# Altium PCB UZ_D_Encoder.PcbDoc (part 5 of 5)
Units mm, origin at the board's own origin, x right, y up, seen from the top; angles counter-clockwise.
Board outline 156.29 x 100 mm, 4 copper layers (Top Layer, GND, VCC, Bottom Layer), stack 0.778 mm thick; 526 components, 375 nets, 1809 pads, 592 vias.
Unrouted connection lines stored in the file: 1.
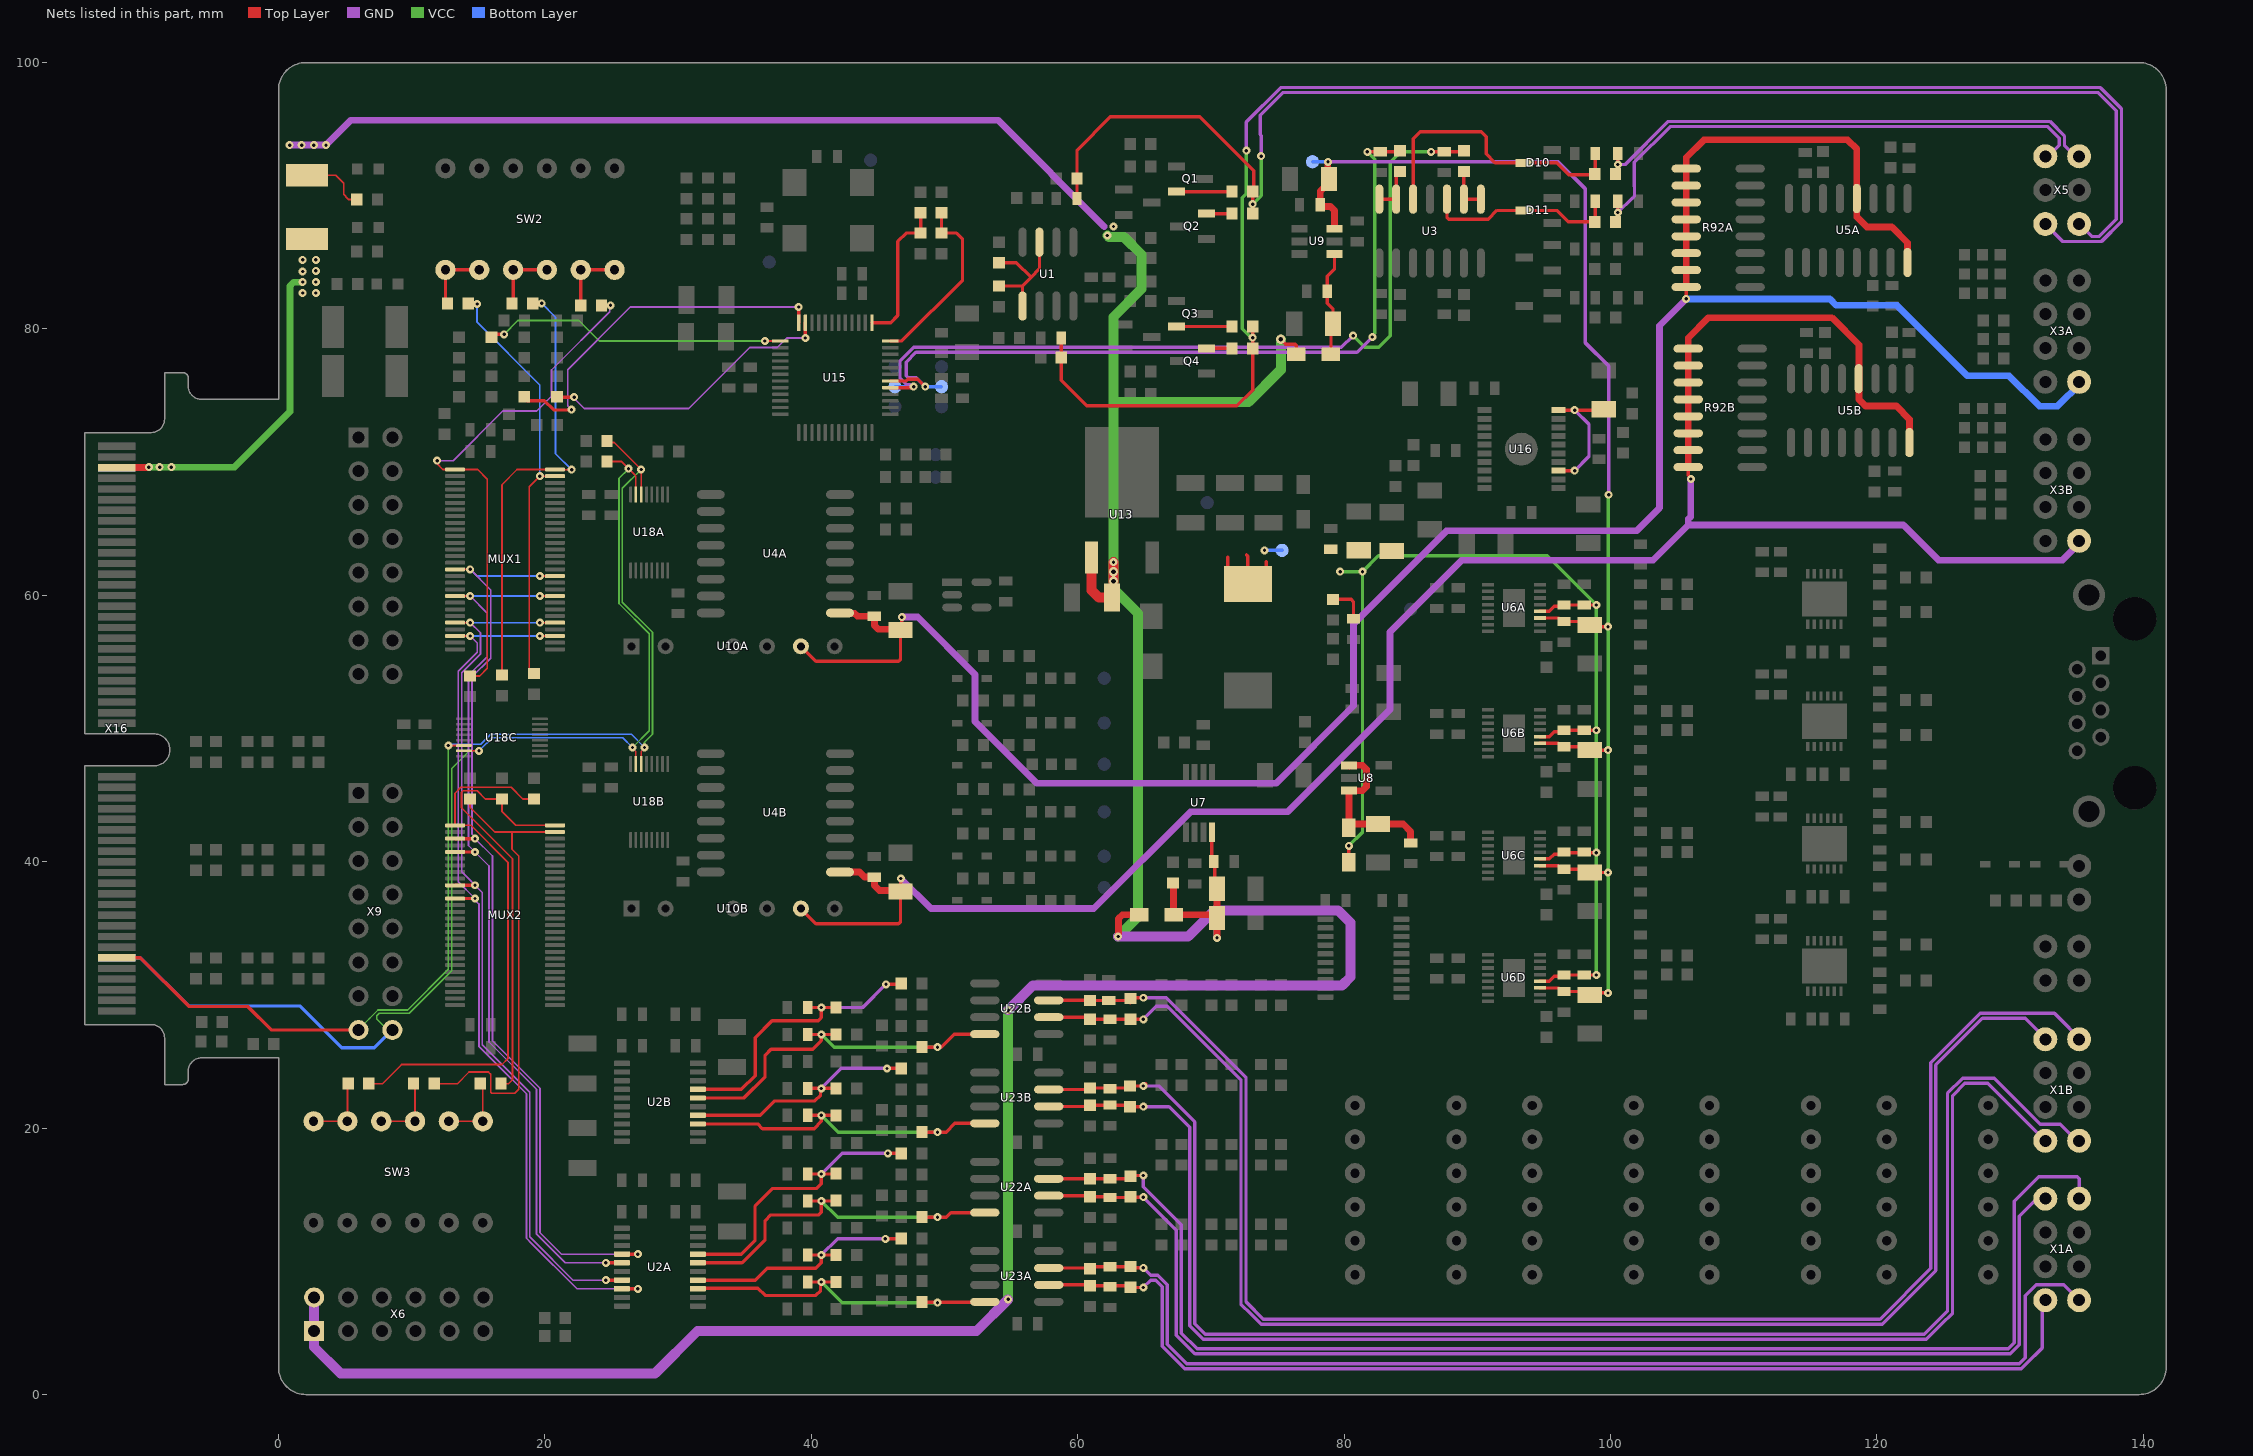
[diagram p7: the nets of this part, all layers, seen from the top]

## Via types
v1: diameter 0.6, hole 0.25, Top Layer to Bottom Layer, tented both sides, 586 vias
v2: diameter 0.7, hole 0.35, Top Layer to Bottom Layer, tented both sides, 6 vias

## Nets (pads, with @x,y where several pads share a name; then routed paths per layer and width w, separated by ;. In a path a pad name is that pad's centre, name@x,y a point inside that pad or via, vN(x,y) a via of type N, cw(c..) or ccw(c..) an arc to the next point about the centre after c; other vN are vias at no path point) (continued)
RES0: R172.1 R174.2 U15.48 | length 13.7
  Top Layer w0.25: U15.48@45.925,79.1 46.8,79.1 51.351,83.651 51.351,86.749 50.897,87.203 R172.1@49.775,87.203 R174.2@49.775,88.728
RES1: R171.1 R173.2 U15.1 | length 11.2
  Top Layer w0.25: U15.1@44.55,80.475 45.95,80.475 46.488,81.013 46.488,86.573 47.118,87.203 R171.1@48.2,87.203 R173.2@48.2,88.728
Resolver_SCLK: R114.2 U15.13 | length 22.8
  Top Layer w0.127: v1(36.5,79.1) U15.13@37.675,79.1
  Top Layer w0.25: R114.2@15.994,79.39 16.207,79.603 v1(16.931,79.603)
  VCC w0.127: v1(16.931,79.603) 17.966,80.638 22.535,80.638 24.072,79.1 v1(36.5,79.1)
Resolver_SDI: R112.2 U15.12 | length 27.5
  Top Layer w0.25: R112.2@18.443,74.836 18.668,74.611 19.96,74.611 20.651,73.92 21.974,73.92 v1(21.99,73.937) ; U15.12@39.05,80.475 v1(39.05,81.654)
  GND w0.127: v1(21.99,73.937) 21.99,73.954 21.704,74.239 21.704,76.946 26.412,81.654 v1(39.05,81.654)
Resolver_SDO: R113.2 U15.11 | length 22.4
  Top Layer w0.25: R113.2@20.94,74.884 v1(22.195,74.884) ; v1(39.55,79.324) U15.11@39.55,80.475
  GND w0.127: v1(22.195,74.884) 22.195,74.779 22.948,74.025 30.787,74.025 35.372,78.609 37.434,78.609 38.149,79.324 v1(39.55,79.324)
RS485_A_CLOCKA: C65A.1 R31A.2 R34A.2 U23A.6 X1A.8 | length 84.4
  Top Layer w0.254: U23A.6@57.824,8.227 60.854,8.227 R34A.2@60.924,8.157 63.849,8.157 R31A.2@63.949,8.057 63.968,8.038 v1(64.921,8.038)
  GND w0.254: v1(64.921,8.038) 65.468,8.585 65.85,8.585 66.334,8.101 66.334,3.614 67.656,2.292 68.027,1.921 130.843,1.921 131.214,2.292 132.414,3.492 X1A.8@132.414,6.995
RS485_A_CLOCKB: C65B.1 R31B.2 R34B.2 U23B.6 X1B.8 | length 110.1
  Top Layer w0.25: R34B.2@60.843,21.627 R34B.2@60.924,21.708 R31B.2@63.868,21.708 ; R31B.2@63.924,21.614 v1(64.921,21.614)
  Top Layer w0.254: U23B.6@57.824,21.627 R34B.2@60.843,21.627
  GND w0.25: v1(64.921,21.614) 66.856,21.614 68.398,20.072 68.398,5.16 69.41,4.148 123.721,4.148 124.833,5.26 125.677,6.104 125.677,22.444 126.592,23.358 128.338,23.358 X1B.8@132.646,19.05
RS485_A_DATAA: C52A.1 R17A.2 R18A.2 U22A.6 X1A.2 | length 94.7
  Top Layer w0.25: U22A.6@57.824,14.927 60.834,14.927 R18A.2@60.924,14.837 62.424,14.837 62.476,14.785 63.897,14.785 R17A.2@63.949,14.837 63.968,14.818 v1(64.921,14.818)
  GND w0.25: v1(64.921,14.818) 67.4,12.338 67.4,4.447 68.799,3.048 130.01,3.048 130.686,3.724 130.686,13.381 X1A.2@132.326,15.022
RS485_A_DATAB: C52B.1 R17B.2 R18B.2 U22B.6 X1B.2 | length 114.9
  Top Layer w0.254: U22B.6@57.824,28.327 60.767,28.327 R18B.2@60.924,28.17 C52B.1@62.424,28.17 63.936,28.17 R17B.2@63.949,28.183 63.968,28.164 v1(64.921,28.164)
  GND w0.254: v1(64.921,28.164) 65.907,29.15 66.736,29.15 72.255,23.631 72.255,6.787 73.026,6.016 73.773,5.269 120.394,5.269 121.141,6.016 124.431,9.306 124.431,24.742 127.927,28.238 131.148,28.238 X1B.2@133.124,26.263
RS485_B_CLOCKA: C64A.1 R24A.1 R31A.1 U23A.7 X1A.7 | length 88.8
  Top Layer w0.254: U23A.7@57.824,9.497 60.88,9.497 R24A.1@60.924,9.453 61.051,9.58 C64A.1@62.424,9.58 63.922,9.58 R31A.1@63.949,9.607 64.043,9.513 v1(64.921,9.513)
  GND w0.25: v1(64.921,9.513) 65.47,8.964 66.007,8.964 66.713,8.258 66.713,3.771 68.184,2.3 130.686,2.3 131.148,2.762 131.148,7.426 131.956,8.234 134.034,8.234 X1A.7@135.186,7.082
RS485_B_CLOCKB: C64B.1 R24B.1 R31B.1 U23B.7 X1B.7 | length 113.9
  Top Layer w0.25: R24B.1@60.811,22.897 R24B.1@60.924,23.01 R31B.1@63.595,23.01 ; R31B.1@63.924,23.164 v1(64.921,23.164) ; v1@65.071,23.339 v1@65.096,23.339
  Top Layer w0.254: U23B.7@57.824,22.897 R24B.1@60.811,22.897
  GND w0.25: v1(64.921,23.164) 66.073,23.164 68.775,20.462 68.775,5.316 69.566,4.525 123.565,4.525 125.3,6.26 125.3,22.6 126.435,23.735 128.824,23.735 132.259,20.3 133.767,20.3 135.169,18.898 135.295,18.898 X1B.7@135.605,18.462
RS485_B_DATAA: C10A.1 R8A.1 R17A.1 U22A.7 X1A.1 | length 101.2
  Top Layer w0.25: U22A.7@57.824,16.197 R8A.1@60.918,16.197 ; R8A.1@60.924,16.191 62.424,16.191 62.43,16.197 63.759,16.197 R17A.1@63.949,16.387 64.004,16.443 v1(64.921,16.443)
  GND w0.25: v1(64.921,16.443) 64.921,15.598 67.777,12.742 67.777,4.603 68.955,3.425 129.854,3.425 130.309,3.88 130.309,14.513 132.138,16.343 135.04,16.343 135.186,16.196 X1A.1@135.186,14.702
RS485_B_DATAB: C10B.1 R8B.1 R17B.1 U22B.7 X1B.1 | length 117.2
  Top Layer w0.254: U22B.7@57.824,29.597 60.911,29.597 R8B.1@60.924,29.584 C10B.1@62.33,29.584 63.777,29.584 R17B.1@63.949,29.412 ; R17B.1@63.949,29.733 64.004,29.789 v1(64.921,29.789)
  GND w0.254: v1(64.921,29.789) 66.636,29.789 72.636,23.788 72.636,6.945 73.931,5.65 120.236,5.65 124.05,9.464 124.05,24.9 127.769,28.619 133.336,28.619 X1B.1@135.574,26.382
RX-S_CLOCK_SH: MUX1.24 MUX1.33 MUX2.10 U2A.7 | length 66.4
  Top Layer w0.127: MUX1.24@13.25,57.95 v1(14.383,57.95) ; v1(19.616,57.95) MUX1.33@20.75,57.95
  Top Layer w0.25: MUX2.10@13.25,38.235 v1(14.75,38.235) ; v1(24.573,8.587) U2A.7@25.773,8.587
  GND w0.127: v1(14.383,57.95) 15.164,57.169 15.164,55.621 13.746,54.203 13.746,39.239 15.292,37.692 15.292,26.255 16.635,24.912 18.861,22.686 18.861,11.832 18.935,11.758 19.01,11.684 19.084,11.609 22.106,8.587 v1(24.573,8.587)
  Bottom Layer w0.127: v1(14.383,57.95) v1(19.616,57.95)
RX-S_CLOCKA: C60A.1 R4A.1 R25A.1 U2A.14 | length 19
  Top Layer w0.25: U2A.14@31.473,8.587 35.787,8.587 36.67,9.47 40.343,9.47 40.753,9.88 v1(40.753,10.475) ; C60A.1@39.731,10.475 v1(40.753,10.475) ; R4A.1@41.776,10.475 v1(40.753,10.475) ; v1(45.554,11.685) 46.716,11.685 R25A.1@46.75,11.719
  GND w0.25: v1(40.753,10.475) 41.964,11.685 v1(45.554,11.685)
RX-S_CLOCKB: C60B.1 R4B.1 R25B.1 U2B.14 | length 19
  Top Layer w0.254: U2B.14@31.473,20.962 36.156,20.962 37.234,22.041 40.265,22.041 40.687,22.462 40.687,22.915 v1(40.753,22.981) ; C60B.1@39.731,22.981 v1(40.753,22.981) ; R4B.1@41.776,22.981 v1(40.753,22.981) ; v1(45.675,24.483) 46.749,24.483 R25B.1@46.75,24.484
  GND w0.254: v1(40.753,22.981) 42.255,24.483 v1(45.675,24.483)
RX-S_DATA_SH: MUX1.16 MUX1.40 MUX2.3 U2A.4 | length 71.6
  Top Layer w0.127: MUX1.16@13.25,61.95 v1(14.383,61.95) ; v1(19.616,61.45) MUX1.40@20.75,61.45
  Top Layer w0.25: MUX2.3@13.25,41.735 v1(14.75,41.735) ; U2A.4@25.773,10.537 v1(26.973,10.537)
  GND w0.127: v1(14.383,61.95) 15.926,60.407 15.926,55.282 14.525,53.881 14.525,42.088 14.75,41.863 v1(14.75,41.735) 16.054,40.43 16.054,26.571 19.623,23.003 19.623,12.148 21.234,10.537 v1(26.973,10.537)
  Bottom Layer w0.127: v1(14.383,61.95) 14.883,61.45 v1(19.616,61.45)
RX-S_DATAA: C53A.1 R1A.1 R11A.1 U2A.17 | length 22.4
  Top Layer w0.25: U2A.17@31.473,10.537 34.727,10.537 35.773,11.583 35.773,14.159 37.086,15.472 40.412,15.472 40.753,15.814 v1(40.753,16.552) ; C53A.1@39.731,16.552 v1(40.753,16.552) ; R1A.1@41.776,16.552 v1(40.753,16.552) ; v1(45.737,18.102) R11A.1@46.75,18.102
  GND w0.25: v1(40.753,16.552) 42.303,18.102 v1(45.737,18.102)
RX-S_DATAB: C53B.1 R1B.1 R11B.1 U2B.17 | length 22.7
  Top Layer w0.254: U2B.17@31.473,22.912 34.748,22.912 35.773,23.937 35.773,26.786 37.044,28.057 40.509,28.057 40.753,28.301 v1(40.753,29.057) ; C53B.1@39.731,29.057 v1(40.753,29.057) ; R1B.1@41.776,29.057 v1(40.753,29.057) ; v1(45.599,30.794) 46.677,30.794 R11B.1@46.75,30.867
  GND w0.254: v1(40.753,29.057) 43.862,29.057 v1(45.599,30.794)
S0_SWA: MUX1.1 R124.2 R136.2 | length 40.1
  Top Layer w0.127: v1(11.905,70.118) 11.905,69.877 12.332,69.45 MUX1.1@13.25,69.45 14.95,69.45 15.675,68.725 15.675,54.525 15.101,53.951 R124.2@14.375,53.951 ; R136.2@24.243,81.773 v1(24.918,81.773)
  GND w0.127: v1(11.905,70.118) 13.121,70.118 16.84,73.837 19.377,73.837 20.488,74.949 20.488,76.915 24.856,81.282 24.856,81.711 v1(24.918,81.773)
S0_SWA_ANALOG: R136.1 SW2.1 SW2.2 | length 5.2
  Top Layer w0.25: R136.1@22.693,81.773 22.685,81.781 SW2.2@22.685,84.436 SW2.1@25.225,84.436
S0_SWB: MUX2.1 R137.2 R140.2 | length 40
  Top Layer w0.127: R137.2@6.775,23.339 7.799,23.339 9.232,24.772 16.775,24.772 17.216,25.213 17.216,39.968 14.449,42.735 MUX2.1@13.25,42.735 13.25,43.273 13.238,43.285 13.238,45.15 13.679,45.591 17.458,45.591 18.334,44.715 R140.2@19.158,44.715
S0_SWB_ANALOG: R137.1 SW3.1 SW3.2 | length 5.4
  Top Layer w0.127: SW3.1@2.625,20.51 SW3.2@5.165,20.51 5.165,23.279 R137.1@5.225,23.339
S1_SWA: MUX1.56 R123.2 R135.2 | length 34.1
  Top Layer w0.127: R123.2@16.766,54.023 16.766,68.317 17.9,69.45 MUX1.56@20.75,69.45 20.759,69.441 21.991,69.441 v1(22,69.433) ; R135.2@19.079,81.926 v1(19.754,81.926)
  Bottom Layer w0.127: v1(19.754,81.926) 20.792,80.888 20.792,70.641 v1(22,69.433)
S1_SWA_ANALOG: R135.1 SW2.3 SW2.4 | length 5.1
  Top Layer w0.25: R135.1@17.529,81.926 17.605,82.002 SW2.4@17.605,84.436 SW2.3@20.145,84.436
S1_SWB: MUX2.56 R139.2 R141.2 | length 32.8
  Top Layer w0.127: R139.2@16.7,23.339 17.26,23.339 17.558,23.637 17.558,40.228 13.734,44.052 13.734,45.219 13.846,45.331 14.904,45.331 15.519,44.715 R141.2@16.766,44.715 16.766,43.786 17.817,42.735 MUX2.56@20.75,42.735
S1_SWB_ANALOG: R139.1 SW3.5 SW3.6 | length 5.4
  Top Layer w0.127: SW3.5@12.785,20.51 SW3.6@15.325,20.51 15.325,23.164 R139.1@15.15,23.339
S2_SWA: MUX1.55 R122.2 R134.2 | length 32
  Top Layer w0.127: R134.2@14.227,81.898 14.254,81.871 v1(14.902,81.871) ; R122.2@19.158,54.132 18.825,54.465 18.825,68.158 v1(19.616,68.95) MUX1.55@20.75,68.95
  Bottom Layer w0.127: v1(14.902,81.871) 14.902,80.504 19.616,75.789 v1(19.616,68.95)
S2_SWA_ANALOG: R134.1 SW2.5 SW2.6 | length 5.1
  Top Layer w0.25: R134.1@12.677,81.898 12.525,82.05 SW2.6@12.525,84.436 SW2.5@15.065,84.436
S2_SWB: MUX2.55 R138.2 R142.2 | length 35.6
  Top Layer w0.127: R138.2@11.68,23.339 13.427,23.339 14.3,24.212 15.752,24.212 15.925,24.039 15.925,22.698 15.999,22.623 17.734,22.623 18.025,22.915 18.025,40.428 17.517,40.936 17.517,42.235 ; R142.2@14.375,44.715 14.375,44.1 16.24,42.235 17.517,42.235 ; MUX2.55@20.75,42.235 17.517,42.235
S2_SWB_ANALOG: R138.1 SW3.3 SW3.4 | length 5.4
  Top Layer w0.127: SW3.3@7.705,20.51 SW3.4@10.245,20.51 10.245,23.224 R138.1@10.13,23.339
SCL: R107.1 U18A.14 U18B.14 U18C.14 X9.15 X16.89 | length 91.8
  Top Layer w0.127: v1(12.748,48.726) U18C.14@13.916,48.726 ; R107.1@24.65,71.575 24.744,71.481 25.191,71.481 v1(27.225,69.447) U18A.14@27.225,67.575 ; U18B.14@27.225,47.34 27.225,48.272 27.474,48.521 v1(27.474,48.583)
  Top Layer w0.254: X16.89@-12.153,32.791 -10.373,32.791 -6.714,29.132 -2.303,29.132 -0.541,27.37 X9.15@6,27.37
  VCC w0.127: X9.15@6,27.37 6,27.409 6.822,28.231 7.461,28.87 9.695,28.87 12.748,31.922 v1(12.748,48.726) ; v1(27.225,69.447) 25.808,68.03 25.808,59.491 28.075,57.224 28.075,49.58 27.474,48.979 v1(27.474,48.583)
  Bottom Layer w0.127: v1(12.748,48.726) 12.838,48.817 15.181,48.817 15.926,49.561 26.496,49.561 v1(27.474,48.583)
SDA: R103.2 U18A.15 U18B.15 U18C.15 X9.16 X16.90 | length 92.1
  Top Layer w0.127: U18C.15@13.916,48.326 v1(15.05,48.326) ; R103.2@24.65,70.058 25.737,70.058 v1(26.276,69.519) 26.815,68.979 26.815,68.459 26.825,68.449 U18A.15@26.825,67.575 ; v1(26.567,48.583) 26.567,48.53 26.825,48.272 U18B.15@26.825,47.34
  VCC w0.127: X9.16@8.54,27.37 8.197,27.37 7.375,28.192 7.375,28.425 7.566,28.616 9.801,28.616 13.002,31.817 13.002,47.002 14.326,48.326 v1(15.05,48.326) ; v1(26.276,69.519) 25.554,68.797 25.554,59.386 27.821,57.119 27.821,49.837 v1(26.567,48.583)
  Bottom Layer w0.127: v1(15.05,48.326) 15.05,48.435 15.159,48.435 16.031,49.307 25.843,49.307 v1(26.567,48.583)
  Bottom Layer w0.25: X16.90@-12.153,32.791 -10.373,32.791 -6.752,29.17 1.588,29.17 4.733,26.025 7.195,26.025 X9.16@8.54,27.37
SIN: C76.1 R81.2 TP9.1 U15.41 | length 63
  Top Layer w0.25: U15.41@45.925,75.6 47.511,75.6 47.58,75.669 v1(47.675,75.669) ; v1(86.538,93.302) C76.1@87.506,93.302 88.915,93.302 R81.2@88.99,93.377
  GND w0.25: v1(47.675,75.669) 47.58,75.669 47.424,75.825 47.175,75.825 46.65,76.35 46.65,77.575 47.699,78.624 79.799,78.624 v1(80.675,79.5)
  VCC w0.25: v1(80.675,79.5) 81.55,78.625 82.6,78.625 83.459,79.484 83.459,92.527 84.234,93.302 v1(86.538,93.302)
  Bottom Layer w0.25: TP9.1@46.273,75.669 v1(47.675,75.669)
SIN_C: C77.1 D11.3 R80.2 U3.3 | length 14.7
  Top Layer w0.25: U3.3@87.72,89.751 87.72,88.397 87.866,88.251 90.825,88.251 91.474,88.9 D11.3@93.52,88.9 95.976,88.9 96.825,88.051 R80.2@98.828,88.051 98.855,88.078 C77.1@98.855,89.6
SIN_FB: R81.1 U3.1 U3.2 | length 3.3
  Top Layer w0.25: R81.1@88.99,91.827 U3.2@88.99,89.751 U3.1@90.26,89.751
SIN_LO: C73.1 R79.2 TP10.1 U15.42 | length 59.4
  Top Layer w0.25: U15.42@45.925,76.1 47.118,76.1 47.239,76.221 47.998,76.221 v1(48.55,75.669) ; v1(81.74,93.302) C73.1@82.709,93.302 84.135,93.302 R79.2@84.21,93.377
  GND w0.25: v1(48.55,75.669) 47.881,76.338 47.269,76.338 47.123,76.485 47.123,77.515 47.855,78.247 80.972,78.247 v1(82.122,79.397)
  VCC w0.25: v1(81.74,93.302) 82.292,92.75 82.292,79.662 82.122,79.492 v1(82.122,79.397)
  Bottom Layer w0.25: v1(48.55,75.669) TP10.1@49.775,75.669
SIN_LO_C: C74.1 D10.3 R78.2 U3.5 | length 22.1
  Top Layer w0.25: U3.5@85.18,89.751 85.18,94.29 85.704,94.814 90.296,94.814 90.659,94.451 90.659,93.142 91.326,92.474 D10.3@93.52,92.474 95.976,92.474 96.875,91.575 98.752,91.575 R78.2@98.828,91.651 98.855,91.678 C74.1@98.855,93.174
SIN_LO_FB: R79.1 U3.6 U3.7 | length 3.5
  Top Layer w0.25: U3.7@82.64,89.751 U3.6@83.91,89.751 83.91,91.527 R79.1@84.21,91.827
SIN_LO_ST: C72.1 R78.1 X5.1 | length 39.1
  Top Layer w0.25: R78.1@100.378,91.651 100.545,91.818 v1(100.545,92.351) C72.1@100.545,93.174
  GND w0.254: v1(100.545,92.351) 101.093,92.351 104.323,95.581 132.996,95.581 134.085,94.493 134.085,93.807 X5.1@135.164,92.728
SIN_ST: C75.1 R80.1 X5.2 | length 41.4
  Top Layer w0.25: R80.1@100.378,88.051 100.545,88.218 v1(100.545,88.751) C75.1@100.545,89.6
  GND w0.25: v1(100.545,88.751) 101.621,89.827 101.656,89.827 101.795,89.966 101.795,90.724
  GND w0.254: 101.795,90.724 101.795,92.514 104.481,95.2 132.838,95.2 133.704,94.335 133.704,93.807 X5.2@132.624,92.728
TX-S_CLOCK_SH: MUX1.26 MUX1.31 MUX2.12 U2A.8 | length 68.3
  Top Layer w0.127: MUX1.26@13.25,56.95 v1(14.383,56.95) ; v1(19.616,56.95) MUX1.31@20.75,56.95
  Top Layer w0.25: MUX2.12@13.25,37.235 v1(14.75,37.235) ; U2A.8@25.773,7.937 v1(26.973,7.937)
  GND w0.127: v1(14.383,56.95) 14.91,56.423 14.91,55.726 13.492,54.308 13.492,38.493 v1(14.75,37.235) 14.75,37.118 15.038,36.83 15.038,26.15 16.381,24.807 18.607,22.581 18.607,11.727 18.681,11.653 18.756,11.578 18.83,11.504 18.905,11.43 22.397,7.937 v1(26.973,7.937)
  Bottom Layer w0.127: v1(14.383,56.95) v1(19.616,56.95)
TX-S_CLOCKA: C61A.1 R5A.1 R35A.2 U2A.13 U23A.4 | length 26.4
  Top Layer w0.25: U2A.13@31.473,7.937 31.511,7.975 35.981,7.975 36.522,7.434 40.337,7.434 40.687,7.784 40.687,8.383 v1(40.753,8.45) ; C61A.1@39.731,8.45 v1(40.753,8.45) ; R5A.1@41.776,8.45 v1(40.753,8.45) ; R35A.2@48.3,6.932 52.999,6.932 U23A.4@53.024,6.957
  VCC w0.25: v1(40.753,8.45) 42.303,6.9 v1(49.475,6.9)
TX-S_CLOCKB: C61B.1 R5B.1 R35B.2 U2B.13 U23B.4 | length 26.4
  Top Layer w0.254: U2B.13@31.473,20.312 35.981,20.312 36.328,19.965 40.216,19.965 40.752,20.501 40.752,20.954 v1(40.753,20.955) ; C61B.1@39.731,20.955 v1(40.753,20.955) ; R5B.1@41.776,20.955 v1(40.753,20.955) ; R35B.2@48.3,19.697 v1(49.475,19.697) 50.118,19.697 50.778,20.357 U23B.4@53.024,20.357
  VCC w0.254: v1(40.753,20.955) 42.011,19.697 v1(49.475,19.697)
TX-S_DATA_SH: MUX1.20 MUX1.37 MUX2.5 U2A.5 | length 67.4
  Top Layer w0.127: MUX1.20@13.25,59.95 v1(14.383,59.95) ; v1(19.616,59.95) MUX1.37@20.75,59.95
  Top Layer w0.25: MUX2.5@13.25,40.735 v1(14.75,40.735) ; v1(24.573,9.887) U2A.5@25.773,9.887
  GND w0.127: v1(14.383,59.95) 15.672,58.661 15.672,55.404 14.26,53.991 14.26,41.225 15.8,39.684 15.8,26.465 19.369,22.897 19.369,12.043 19.443,11.968 21.525,9.887 v1(24.573,9.887)
  Bottom Layer w0.127: v1(14.383,59.95) v1(19.616,59.95)
TX-S_DATAA: C54A.1 R2A.1 R21A.2 U2A.16 U22A.4 | length 28.7
  Top Layer w0.25: U2A.16@31.473,9.887 34.793,9.887 36.522,11.616 36.522,13.064 36.938,13.48 40.555,13.48 40.752,13.677 40.752,14.525 v1(40.753,14.526) ; C54A.1@39.731,14.526 v1(40.753,14.526) ; R2A.1@41.776,14.526 v1(40.753,14.526) ; R21A.2@48.3,13.315 v1(49.475,13.315) 50.137,13.315 50.479,13.657 U22A.4@53.024,13.657
  VCC w0.25: v1(40.753,14.526) 41.964,13.315 v1(49.475,13.315)
TX-S_DATAB: C54B.1 R2B.1 R21B.2 U2B.16 U22B.4 | length 28.8
  Top Layer w0.254: U2B.16@31.473,22.262 34.937,22.262 36.522,23.847 36.522,25.479 36.968,25.925 40.1,25.925 40.752,26.577 40.752,27.03 v1(40.753,27.031) ; C54B.1@39.731,27.031 v1(40.753,27.031) ; R2B.1@41.776,27.031 v1(40.753,27.031) ; R21B.2@48.3,26.08 v1(49.475,26.08) 49.755,26.08 50.732,27.057 U22B.4@53.024,27.057
  VCC w0.254: v1(40.753,27.031) 41.704,26.08 v1(49.475,26.08)
VCC: C25A.1 C25B.1 C25C.1 C25D.1 C26A.2 C26B.2 C26C.2 C26D.2 C35.1 C40.2 C41.2 C42.2 L2.2 L3.1 R57.2 TP16.1 U6A.4 U6B.4 U6C.4 U6D.4 | length 101.1
  Top Layer w0.254: 71.273,62.852 71.273,62.068 72.496,60.845 L2.2@72.775,60.845 72.775,62.955 72.668,63.062 ; L2.2@74.15,59.733 74.15,62.545 ; R57.2@79.175,59.695 80.54,59.695 80.7,59.536 C35.1@80.7,58.236 ; L3.1@80.357,39.952 v1(80.357,41.193) ; U6D.4@94.691,31.026 95.395,31.026 95.76,31.391 96.4,31.391 C25D.1@96.51,31.501 C26D.2@98.04,31.501 v1(98.932,31.501) ; U6C.4@94.691,40.212 95.395,40.212 95.76,40.577 96.4,40.577 96.51,40.687 v1(98.932,40.687) ; U6B.4@94.691,49.398 95.395,49.398 95.76,49.763 96.4,49.763 C25B.1@96.51,49.873 v1(98.932,49.873) ; U6A.4@94.691,58.804 95.395,58.804 95.76,59.169 96.4,59.169 C25A.1@96.51,59.279 C26A.2@98.04,59.279 v1(98.932,59.279)
  VCC w0.254: v1(79.699,61.774) v1@81.377,61.774 ; v1(80.357,41.193) 81.378,42.214 v1(81.378,61.774) 82.577,62.972 95.238,62.972 v1(98.932,59.279) v1(98.932,49.873) v1(98.932,40.687) v1(98.932,31.501)
  Bottom Layer w0.254: v1(74.025,63.375) TP16.1@75.341,63.375
VCC_2.5V: C44.2 C45.1 L3.2 U8.1 U8.3 | length 12.5
  Top Layer w0.508: L3.2@80.357,42.552 U8.3@80.357,45.337 81.377,45.337 81.675,45.634 81.675,46.939 81.377,47.237 U8.1@80.357,47.237 U8.1@80.401,47.193 ; L3.2@80.603,42.834 C44.2@82.542,42.834 84.437,42.834 84.992,42.278 C45.1@84.992,41.412
VCC_ENCA: C9A.2 C15A.2 R92A.9 R92A.10 R92A.11 R92A.12 R92A.13 R92A.14 R92A.15 R92A.16 U4A.1 U5A.4 U5A.16 U10A.6 X3A.7 | length 178.6
  Top Layer w0.254: U10A.6@39.21,56.175 40.345,55.04 46.544,55.04 46.693,55.189 C15A.2@46.693,57.322 ; C15A.2@46.793,57.45 v1(46.793,58.366) ; v1(105.685,82.259) R92A.16@105.685,83.151
  Top Layer w0.508: U4A.1@42.147,58.68 42.174,58.653 43.253,58.653 43.471,58.435 C9A.2@44.733,58.435 44.733,57.747 45.03,57.45 C15A.2@46.793,57.45 ; R92A.16@105.685,83.151 105.685,85.69 105.685,88.23 105.685,92.874 107.016,94.205 117.801,94.205 118.495,93.512 118.495,88.405 119.245,87.655 121.123,87.655 122.305,86.473 U5A.16@122.305,84.973
  GND w0.508: v1(46.793,58.366) 47.985,58.366 52.289,54.062 52.289,50.531 56.93,45.89 74.876,45.89 80.7,51.714 80.7,57.859 87.686,64.845 101.943,64.845 103.668,66.57 103.668,80.243 v1(105.685,82.259)
  Bottom Layer w0.508: v1(105.685,82.259) 116.467,82.259 116.95,81.776 121.502,81.776 126.797,76.481 129.918,76.481 132.196,74.203 133.567,74.203 X3A.7@135.317,75.953
VCC_ENCB: C9B.2 C15B.2 R92B.9 R92B.10 R92B.11 R92B.12 R92B.13 R92B.14 R92B.15 R92B.16 U4B.1 U5B.4 U5B.16 U10B.6 X3B.7 | length 161.9
  Top Layer w0.254: U10B.6@39.21,36.485 40.345,35.35 46.544,35.35 46.693,35.499 C15B.2@46.693,37.632 ; C15B.2@46.712,37.831 v1(46.712,38.747) ; R92B.16@105.837,69.631 105.837,69.027 106.031,68.833 v1(106.031,68.739)
  Top Layer w0.508: U4B.1@42.147,39.225 43.605,39.225 43.983,38.847 C9B.2@44.733,38.847 44.733,38.217 45.1,37.85 46.475,37.85 C15B.2@46.693,37.632 ; R92B.16@105.837,69.631 R92B.15@105.837,70.901 R92B.14@105.837,72.171 R92B.13@105.837,73.441 R92B.12@105.837,74.711 R92B.11@105.837,75.981 R92B.10@105.837,77.251 R92B.9@105.837,78.521 105.837,79.326 107.361,80.85 116.615,80.85 118.647,78.817 118.647,76.253 118.665,76.236 118.665,74.705 119.143,74.227 121.317,74.227 121.336,74.208 121.464,74.208 122.457,73.215 U5B.16@122.457,71.453
  GND w0.508: v1(46.712,38.747) 48.974,36.485 61.2,36.485 68.462,43.747 75.764,43.747 83.453,51.436 83.453,57.243 88.855,62.645 103.207,62.645 105.837,65.275 ; v1(106.031,68.739) 106.031,65.928 105.837,65.734 105.837,65.275 ; X3B.7@135.253,63.968 133.93,62.645 124.617,62.645 121.987,65.275 105.837,65.275
VIN: F1.1 X16.5 X16.6 | length 27.6
  Top Layer w0.508: X16.5@-12.153,69.591 v1@-9.75,69.591
  VCC w0.508: v1(-9.75,69.625) -3.308,69.625 0.856,73.789 0.856,83.234 1.136,83.514 1.783,83.514 v1(1.8,83.531)
  Bottom Layer w0.508: X16.6@-12.153,69.591 v1@-9.75,69.591
  other v1: -8.925,69.625 -8.05,69.625 1.8,82.698 2.8,82.698 2.8,83.531 1.8,84.319 2.8,84.365 1.8,85.198 2.8,85.198
VIN_5V: C36.2 C37.2 C38.1 L1.2 R55.1 TP14.1 U7.8 | length 15
  Top Layer w0.254: U7.8@70.075,42.22 70.075,40.287 70.2,40.162 C38.1@70.2,40.012 70.296,39.916 C37.2@70.296,38.139
  Top Layer w0.508: R55.1@67.162,38.405 67.191,38.376 67.191,36.05 L1.2@67.221,36.021 70.214,36.021 C36.2@70.455,35.78 ; C37.2@70.296,38.139 C37.2@70.455,37.98 70.455,36.021 C36.2@70.455,35.78 ; v1(70.455,34.285) C36.2@70.455,35.78
  Bottom Layer w0.508: TP14.1@70.425,35.475 70.44,35.46 70.44,34.3 v1(70.455,34.285)
VIN_fused: C68.1 F1.2 L1.1 L4.1 R104.2 U13.1 X6.1 X6.2 | length 285.5
  Top Layer w0.127: F1.2@2.125,91.536 4.288,91.536 4.881,90.944 4.881,90.103 5.195,89.789 5.269,89.715 R104.2@5.87,89.715
  Top Layer w0.254: v2(75.246,79.226) 75.629,78.843 76.333,78.843 76.408,78.768 L4.1@76.408,78.093
  Top Layer w0.508: F1.2@1.62,91.031 F1.2@2.125,91.536 ; v1@63.044,34.413 63.058,34.427 63.058,35.724 63.355,36.021 L1.1@64.621,36.021
  Top Layer w0.75: U13.1@61.031,62.836 61.047,62.82 61.047,60.371 61.596,59.822 62.576,59.822 C68.1@62.584,59.83 62.684,59.93 v1(62.684,62.49)
  GND w0.508: v1(0.827,93.806) v1(1.735,93.806) v1(2.644,93.806) v1(3.553,93.806) 5.423,95.675 54.004,95.675 61.985,87.694
  GND w0.75: X6.2@2.665,7.29 X6.1@2.665,4.75 2.665,3.562 4.637,1.59 28.272,1.59 31.457,4.775 52.399,4.775 v1(54.775,7.151) ; v1(54.775,28.852) 56.649,30.726 79.856,30.726 80.476,31.346 80.476,35.422 79.557,36.341 70.252,36.341 68.295,34.384 v1(63.04,34.384)
  VCC w0.75: v1(54.775,7.151) v1(54.775,28.852) ; v1(62.226,87.017) 62.352,86.892 63.486,86.892 64.788,85.59 64.788,83.015 62.684,80.911 62.684,74.527 ; v2@62.684,61.764 v1(62.684,62.49) 62.684,74.527 ; v2(62.684,61.774) 62.684,60.49 64.522,58.652 64.522,35.866 v1(63.04,34.384) ; v2(75.246,79.226) 75.246,76.938 72.835,74.527 62.684,74.527
  other v1: 62.684,87.694
  other v2: 62.684,61.05
VIN_N_DIFF_SUPPLY: C22.2 U16.13 U16.20 | length 10.1
  Top Layer w0.254: U16.13@96.082,69.359 v1(97.305,69.359) ; U16.20@96.082,73.909 v1(97.305,73.909) 99.423,73.909 C22.2@99.484,73.97
  GND w0.254: v1(97.305,69.359) 98.384,70.438 98.384,72.83 v1(97.305,73.909)
VIN_VREF: C48.2 C49.1 L4.2 U9.4 | length 8
  Top Layer w0.25: L4.2@79.008,78.093 79.008,80.235 C48.2@79.158,80.385 79.158,81.524 78.74,81.942 C49.1@78.74,82.825 78.74,83.951 79.275,84.486 U9.4@79.275,85.626
Vout_EXC: C70.2 R53.2 R62.2 R63.1 X5.6 | length 123.2
  Top Layer w0.254: C70.2@58.76,79.324 R53.2@58.76,77.843 58.76,76.152 60.683,74.229 71.946,74.229 73.131,75.414 R62.2@73.131,80.19
  GND w0.254: v1(72.654,93.387) 72.654,95.54 75.244,98.129 136.788,98.129 138.362,96.555 138.362,88.066 136.865,86.569 133.965,86.569 X5.6@132.646,87.888
  VCC w0.254: v1(72.654,93.387) 72.654,90.161 72.356,89.863 72.356,80.018 72.851,79.523 72.865,79.523 73.131,79.256 v1@73.131,79.243
  other v1: 73.131,79.35
VOUT_EXC_H: Q3.2 R62.1 | length 4.2
  Top Layer w0.25: Q3.2@67.418,80.19 R62.1@71.581,80.19
VOUT_EXC_L: Q4.2 R63.2 | length 1.9
  Top Layer w0.254: Q4.2@69.663,78.543 R63.2@71.581,78.543
Vout_N_EXC: C66.2 R36.2 R49.2 R50.1 X5.5 | length 107.3
  Top Layer w0.25: C66.2@59.938,89.803 59.938,91.306 R36.2@59.945,91.313 59.945,93.437 62.435,95.927 69.16,95.927 73.206,91.881 73.206,90.388 R49.2@73.131,90.313 v1(73.131,89.373) R50.1@73.131,88.673
  GND w0.25: v1(73.775,92.975) 73.775,94.522 73.7,94.597 73.7,96.049 75.401,97.75 136.631,97.75 137.983,96.398 137.983,88.223 136.708,86.948 136.126,86.948 X5.5@135.186,87.888
  VCC w0.25: v1(73.131,89.373) 73.775,90.017 v1(73.775,92.975)
VOUT_N_EXC_H: Q1.2 R49.1 | length 4.2
  Top Layer w0.254: Q1.2@67.418,90.313 R49.1@71.581,90.313
VOUT_N_EXC_L: Q2.2 R50.2 | length 1.9
  Top Layer w0.254: Q2.2@69.663,88.663 71.571,88.663 R50.2@71.581,88.673
VREF: C29A.1 C29B.1 C29C.1 C29D.1 C30A.2 C30B.2 C30C.2 C30D.2 C50.1 C51.2 TP18.1 U6A.3 U6B.3 U6C.3 U6D.3 U9.6 | length 107.5
  Top Layer w0.25: U6D.3@94.691,30.526 96.094,30.526 96.36,30.259 C29D.1@96.51,30.259 98.195,30.259 C30D.2@98.45,30.004 ; U6C.3@94.691,39.712 96.094,39.712 96.36,39.445 C29C.1@96.51,39.445 98.195,39.445 C30C.2@98.45,39.19 ; U6B.3@94.691,48.898 96.094,48.898 96.36,48.631 C29B.1@96.51,48.631 98.195,48.631 C30B.2@98.45,48.376 ; U6A.3@94.691,58.304 96.094,58.304 96.36,58.037 C29A.1@96.51,58.037 98.195,58.037 C30A.2@98.45,57.782
  Top Layer w0.254: C30D.2@98.925,30.15 v1(99.817,30.15) ; C30C.2@98.925,39.19 v1(99.817,39.19) ; C30B.2@98.925,48.376 v1(99.817,48.376) ; C30A.2@98.925,57.647 v1(99.817,57.647)
  Top Layer w0.5: C51.2@78.775,91.802 v1@78.775,92.533
  Top Layer w0.508: C51.2@78.85,91.268 78.85,90.963 78.499,90.612 78.498,90.612 78.2,90.314 C50.1@78.2,89.326 78.2,89.288 78.296,89.192 78.978,89.192 79.275,88.894 U9.6@79.275,87.526
  GND w0.264: v1(78.794,92.552) 96.08,92.552 98.087,90.544 98.087,78.988 99.857,77.218 v1(99.857,67.555)
  VCC w0.254: v1(99.817,30.15) v1(99.817,39.19) v1(99.817,48.376) v1(99.817,57.647)
  VCC w0.264: v1(99.817,57.647) 99.837,57.667 99.837,67.534 v1(99.857,67.555)
  Bottom Layer w0.254: TP18.1@77.625,92.552 v1(78.794,92.552)
VREF_RESOLVER: R37.1 R44.2 U1.3 U1.5 | length 10
  Top Layer w0.25: R44.2@54.077,83.231 55.843,83.231 55.855,83.242 ; R37.1@54.077,84.97 55.397,84.97 56.49,83.877 ; U1.5@55.855,81.72 55.855,83.242 ; U1.3@57.125,86.52 57.125,84.512 56.49,83.877 ; 55.855,83.242 56.49,83.877
pads on no net: R92A.7 R92A.8 R92B.7 R92B.8 U4A.6 U4A.7 U4A.11 U4B.6 U4B.7 U4B.11 U5A.11 U5B.11 U6A.13 U6A.15 U6B.13 U6B.15 U6C.13 U6C.15 U6D.13 U6D.15 U8.4 U9.3 U9.5 U10A.5 U10A.7 U10B.5 U10B.7 U15.47 U16.1 U16.11 U18A.13 U18B.13 U18C.13 X1A.6 X1B.6 X16.77 X16.78 X16.79 X16.80 X16.83 X16.84 X16.85 X16.86 X16.91 X16.92 X16.93 X16.94 X16.95 X17.MH1 X17.MH2
copper on no net:
  other v1: 10.15,81.325

## Polygon pours and split planes (outlines as drawn)
GND on Top Layer "GND_L01_P040" (solid, pour order 40): -16.1,0 147.425,0 147.425,106.871 -16.1,106.871
AGND_RESOLVER on Top Layer "AGND_RESOLVER_L01_P038" (solid, pour order 38): 31.157,94.28 31.157,69.433 42.067,69.433 43.471,68.029 43.471,64.517 53.767,64.517 55.075,65.825 55.075,94.25
GND on Top Layer "GND_L01_P007" (solid, pour order 7): 31.02,96.45 31.02,79.85 47.019,79.85 47.019,96.45
VIN on Top Layer "VIN_L01_P026" (solid, pour order 26): 3.706,82.192 3.706,87.619 0,87.619 0,82.193
VIN_fused on Top Layer "VIN_FUSED_L01_P031" (solid, pour order 31): 0.466,90.662 3.967,90.662 3.967,94.587 0.467,94.587
3V3_PER on Top Layer "3V3_PER_L01_P002" (solid, pour order 2): -10.3,67 -10.3,65.742 -7.173,65.742 -7.173,67
5V_PER on Top Layer "5V_PER_L01_P003" (solid, pour order 3): -10.3,68.6 -10.3,67.342 -7.173,67.342 -7.173,68.6
VIN on Top Layer "VIN_L01_P004" (solid, pour order 4): -10.3,70.245 -10.3,68.986 -7.173,68.986 -7.173,70.245
3V3_PER_fused on Top Layer "3V3_PER_FUSED_L01_P034" (solid, pour order 34): 7.98,78.16 7.98,74.66 11.905,74.66 11.905,78.16
5V_PER on Top Layer "5V_PER_L01_P025" (solid, pour order 25): 4.971,78.465 4.971,81.965 1.046,81.965 1.046,78.465
3V3_PER on Top Layer "3V3_PER_L01_P030" (solid, pour order 30): 4.971,74.794 4.971,78.295 1.046,78.295 1.046,74.795
5V_PER_fused on Top Layer "5V_PER_FUSED_L01_P021" (solid, pour order 21): 7.979,81.831 7.979,78.331 11.904,78.331 11.904,81.831
+12V_FILT on Top Layer "+12V_FILT_L01_P020" (solid, pour order 20): 86.93,76.87 86.93,71.625 88.783,71.625 89.108,71.3 89.108,70.984 91.057,70.984 91.057,72.234 89.507,72.234 89.209,72.532 89.209,76.87
LM5007_CL on Top Layer "LM5007_CL_L01_P016" (solid, pour order 16): 77.775,49.911 77.775,54.162 68.675,54.162 68.675,49.911
VCC on Top Layer "VCC_L01_P011" (solid, pour order 11): 70.9,64.1 70.925,64.075 70.925,59.473 84.538,59.473 84.992,59.927 84.992,64.125
GND on GND "GND_L02_P027" (solid, pour order 27): -20,0 147.425,0 147.425,106.871 -20,106.871
VIN_fused on GND "VIN_FUSED_L02_P001" (solid, pour order 1): 61.675,88.3 61.675,86.425 63.1,86.425 63.1,88.3
3V3_PER on GND "3V3_PER_L02_P023" (solid, pour order 23): 4.971,74.794 4.971,78.295 1.046,78.295 1.046,74.795
VIN on GND "VIN_L02_P022" (solid, pour order 22): 4.971,82.192 4.971,85.692 1.046,85.692 1.046,82.192
5V_PER_fused on GND "5V_PER_FUSED_L02_P005" (solid, pour order 5): 7.979,81.831 7.979,78.331 11.904,78.331 11.904,81.831
3V3_PER_fused on VCC "3V3_PER_FUSED_L03_P042" (solid, pour order 42): -20,0 147.425,0 147.425,106.871 -20,106.871
VIN_fused on VCC "VIN_FUSED_L03_P028" (solid, pour order 28): 61.675,89.271 61.675,86.425 63.1,86.425 63.1,89.271
5V_PER_fused on VCC "5V_PER_FUSED_L03_P039" (solid, pour order 39): 7.979,81.831 7.979,78.331 11.904,78.331 11.904,81.831
5V_PER on VCC "5V_PER_L03_P041" (solid, pour order 41): 4.971,78.465 4.971,81.965 1.046,81.965 1.046,78.465
GND on Bottom Layer "GND_L04_P037" (solid, pour order 37): -20,0 147.425,0 147.425,106.871 -20,106.871
GND_ENCB on Bottom Layer "GND_ENCB_L04_P010" (solid, pour order 10): 104.487,69.063 108.275,65.275 120.562,65.275 122.542,63.295 131.51,63.295 132.955,61.85 139.776,61.85 139.776,85.159 139.079,85.856 138.996,85.773 133.077,85.773 129.272,89.578 129.272,99.482 105.064,99.482 104.473,98.891
3V3_PER on Bottom Layer "3V3_PER_L04_P029" (solid, pour order 29): -10.3,67 -10.3,65.742 -7.173,65.742 -7.173,67
5V_PER on Bottom Layer "5V_PER_L04_P000" (solid, pour order 0): -10.3,68.6 -10.3,67.342 -7.173,67.342 -7.173,68.6
VIN on Bottom Layer "VIN_L04_P032" (solid, pour order 32): -10.3,70.245 -10.3,68.986 -7.173,68.986 -7.173,70.245
3V3_PER_fused on Bottom Layer "3V3_PER_FUSED_L04_P033" (solid, pour order 33): 26.567,53.954 26.567,49.6 33.1,49.6 33.1,53.954

## Other copper
Top Layer:
  pour cut-out: 122.369,87.888 132.441,87.888 132.441,86.11 132.587,85.964 140.25,85.964 140.25,62.487 139.613,61.85 133.739,61.85 133.739,61.868 130.881,64.726 122.545,64.726
  pour cut-out: 106.166,95.581 103.619,93.034 103.619,68.954 106.419,66.155 123.92,66.155 123.895,95.581
  pour cut-out: 44.209,48.115 44.209,45.138 44.04,44.97 40.425,44.97 40.425,47.652
  pour cut-out: 41.1,66.95 41.097,66.947 41.097,64.443 44.222,64.443 44.434,64.654 44.384,64.704 44.384,67.052
Multi-Layer:
  pour cut-out: 37.975,91.825 37.975,85.925 44.55,85.925 44.55,91.825
  pour cut-out: 67.625,62.026 67.625,51.754 77.925,51.754 77.925,62.026

## Silkscreen, mask and mechanical layers (free items; w line width, h text height)
Top Overlay:
  lines w0.254: 2.625,14.89 2.625,18.51 ; 25.225,86.436 25.225,90.056 ; 76.176,12.81 129.75,12.81 ; 76.269,17.89 129.75,17.89 ; 82.819,9 86.439,9 ; 96.126,9 99.746,9 ; 109.433,9 113.053,9 ; 122.74,9 126.36,9
  text "0" at 27.759,90.659 h3
  text "Resolver" at 131.173,88.279 h1.5 r90
  text "1" at 28.259,83.933 h3
  text "Icremental A" at 131.173,76.574 h1.5 r90
  text "Icremental B" at 131.173,64.68 h1.5 r90
  text "Analog Hall" at 127.048,49.034 h1.5 r90
  text "Torque" at 130.969,30.675 h1.5 r90
  text "1" at 2.168,22.204 h3
  text "Absolute Encoder 2" at 131.173,17.901 h1.5 r90
  text "0" at 1.129,11.368 h3 r270
  text "0" at 85.927,6.466 h3 r270
  text "0" at 98.802,6.466 h3 r270
  text "0" at 125.754,6.466 h3 r270
  text "1" at 80.523,5.966 h3 r270
  text "1" at 94.037,5.966 h3 r270
  text "1" at 107.141,5.966 h3 r270
  text "1" at 120.351,5.966 h3 r270
  text "Absolute Encoder 1" at 131.173,5.929 h1.5 r90
  text "0" at 115.345,4.467 h3 r90
Bottom Overlay:
  text "DIGITAL_IO_IN" at 132.429,42.127 h1.5 r90
Mechanical 7:
  lines w1.2: 141.725,97.968 ccw(c139.693,97.968) 139.693,100 2.032,100 ccw(c2.032,97.968) 0,97.968 0,74.725 -5.786,74.725 cw(c-5.786,75.725) -6.786,75.725 -6.786,76.325 ccw(c-7.186,76.325) -7.186,76.725 -8.566,76.725 -8.566,73.225 cw(c-9.566,73.225) -9.566,72.225 -14.566,72.225 -14.566,49.6 -9.366,49.6 cw(c-9.366,48.4) -9.366,47.2 -14.566,47.2 -14.566,27.775 -9.566,27.775 cw(c-9.566,26.775) -8.566,26.775 -8.566,23.275 -7.186,23.275 ccw(c-7.186,23.675) -6.786,23.675 -6.786,24.275 cw(c-5.786,24.275) -5.786,25.275 0,25.275 0,2.032 ccw(c2.032,2.032) 2.032,0 139.693,0 ccw(c139.693,2.032) 141.725,2.032 141.725,98.175

## Dimensions
141.434,100 to -14.566,72.225 on Mechanical 2
141.434,100 to 0,100 on Mechanical 2
141.434,0 to 141.434,100 on Mechanical 2
-14.566,107.633 to 147.425,106.871 on Mechanical 2

## Text inside footprints (layer, text, board x,y; h text height)
Serial: Bottom Assembly "SerialNr" at 125.667,91.312 h0.7 r180
U10A: Top Overlay "1" at 26.26,51.8 h1.5; Top Overlay "7" at 41.25,51.8 h1.5; Top Overlay "4" at 33.63,51.8 h1.5; Top Overlay "2" at 28.55,51.8 h1.5
U10B: Top Overlay "2" at 28.55,32.11 h1.5; Top Overlay "4" at 33.63,32.11 h1.5; Top Overlay "7" at 41.25,32.11 h1.5; Top Overlay "1" at 26.26,32.11 h1.5
X8: Top Overlay "2" at 7.625,74.354 h1.27 r270; Top Overlay "1" at 2.887,72.216 h1.27 r270; Top Overlay "15" at 3.021,54.823 h1.27 r270; Top Overlay "16" at 10.225,54.943 h1.27 r270
X9: Top Overlay "16" at 8.032,25.846 h1.27 r270; Top Overlay "15" at 2.887,28.325 h1.27 r270; Top Overlay "1" at 5.45,47.475 h1.27 r270; Top Overlay "2" at 8.032,47.69 h1.27 r270